# Altium PCB CMTestBoard.PcbDoc (part 1 of 2) (continued)
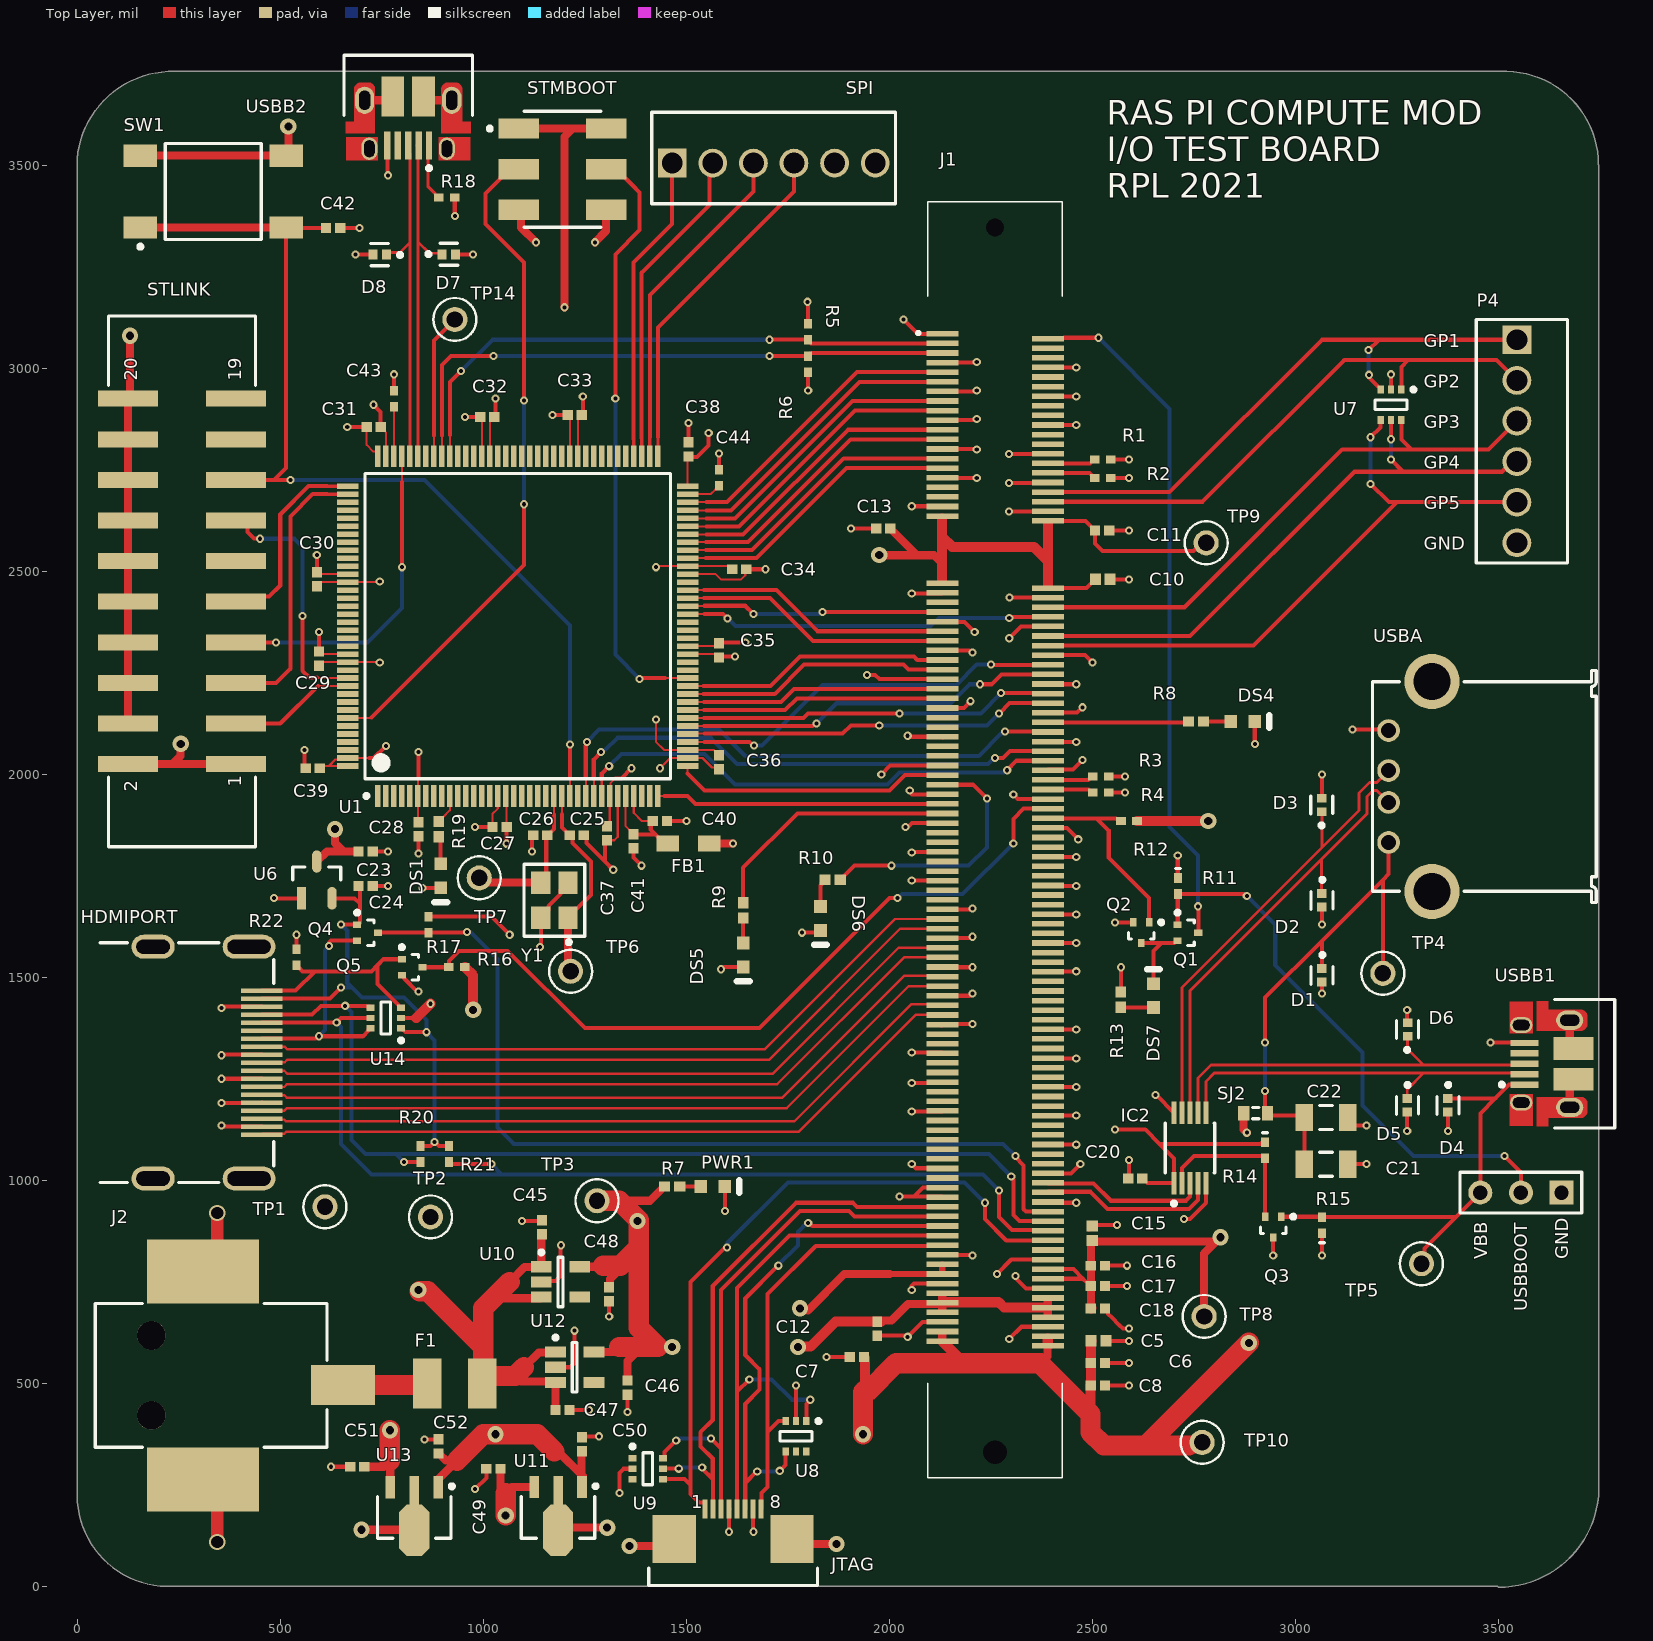
[diagram p0: Top Layer view]
## Components (designator, comment, footprint, x,y, rotation, side; value= is the part's Value field where it differs from the comment) (continued)
JTAG "68710814522" 68710814522 1615,90 r0 top
P4 "640456-6" TECO-640456-6_V 3545,3070 r270 top
PWR1 "LTST-S270KGKT" AVAG-HSMX-C190_V 1565,985 r0 top
Q1 "DMG1012T-7" DIOD-SOT523-3_V 2735,1610 r0 top
Q2 "DMG1012T-7" DIOD-SOT523-3_V 2620,1610 r270 top
Q3 "DMG1012T-7" DIOD-SOT523-3_V 2945,885 r270 top
Q4 "DMG1012T-7" DIOD-SOT523-3_V 715,1610 r0 top
Q5 "DMG1012T-7" DIOD-SOT523-3_V 825,1525 r0 top
R1 "0402WGF1003TCE" 0402 2525,2775 r0 top
R2 "0402WGF1003TCE" 0402 2525,2730 r0 top
R3 "0402WGF1003TCE" 0402 2520,1995 r0 top
R4 "0402WGF1003TCE" 0402 2520,1955 r0 top
R5 "0402WGF1801TCE" 0402 1800,3090 r270 top value=1.8K
R6 "0402WGF1801TCE" 0402 1800,3010 r90 top
R7 "0402WGF750JTCE" RESC1005X40X25ML05T10 1465,985 r0 top
R8 "0402WGF750JTCE" RESC1005X40X25ML05T10 2755,2130 r180 top
R9 "0402WGF750JTCE" RESC1005X40X25ML05T10 1640,1665 r90 top
R10 "0402WGF750JTCE" RESC1005X40X25ML05T10 1860,1740 r0 top
R11 "0402WGJ0473TCE" 0402-A 2710,1725 r270 top value=47K
R12 "0402WGF1003TCE" 0402 2590,1885 r0 top
R13 "0402WGF750JTCE" RESC1005X40X25ML05T10 2570,1445 r90 top
R14 "0402WGJ0473TCE" 0402-A 2924.4,1073.89 r270 top value=47k
R15 "0402WGJ0473TCE" 0402-A 3065,890 r90 top value=47k
R16 "0402WGF1001TCE" 0402 935,1525 r180 top
R17 "0402WGF1001TCE" 0402 865,1630 r90 top
R18 "0402WGF1003TCE" 0402 910,3420 r0 top
R19 "0402WGF750JTCE" RESC1005X40X25ML05T10 890,1865 r90 top
R20 "0402WGF1801TCE" 0402 845,1065 r90 top value=1.8K
R21 "0402WGF1801TCE" 0402 915,1065 r90 top value=1.8K
R22 "0402WGF1003TCE" 0402 540,1550 r90 top
SJ2 "0R" J1-0603 2901.81,1165.58 r180 top
SPI "640456-6" TECO-640456-6_V 1465,3505 r0 top
STLINK "61232020621" 61232020621 257.87,2475 r90 top
STMBOOT "95278-101A06LF" AMPM-95278-101A06LF_V 1195,3490 r270 top
SW1 "4-1437565-1" TECO-4-1437565-1_V 335,3435 r90 top
TP1 "5004" FP-5004-MFG 610,935 r0 top
TP2 "5004" FP-5004-MFG 870,910 r0 top
TP3 "5004" FP-5004-MFG 1280,950 r0 top
TP4 "5004" FP-5004-MFG 3215,1510 r0 top
TP5 "5004" FP-5004-MFG 3310,795 r0 top
TP6 "5004" FP-5004-MFG 1215,1515 r0 top
TP7 "5004" FP-5004-MFG 990,1745 r0 top
TP8 "5004" FP-5004-MFG 2775,665 r0 top
TP9 "5004" FP-5004-MFG 2780,2570 r0 top
TP10 "5004" FP-5004-MFG 2770,355 r90 top
TP14 "5004" FP-5004-MFG 930,3120 r90 top
U1 "STM32F427ZGT6" STM-LQFP144_V 1085,2365 r90 top
U6 "AP2331W-7" FP-SC59-IPC_B 590,1740 r90 top
U7 "SMF05CT1G" ONSC-SC70-6-419B-02_W_V 3235,2910 r270 top
U8 "SMF05CT1G" ONSC-SC70-6-419B-02_W_V 1770,370 r270 top
U9 "SMF05CT1G" ONSC-SC70-6-419B-02_W_V 1405,290 r0 top
U10 "XC6220B331MR-G" TORX-SOT-25-5_M 1190,750 r0 top
U11 "RT9166A-18GXL" SOT-89_N 1184.06,170.2 r270 top
U12 "XC6220B331MR-G" TORX-SOT-25-5_M 1225,540 r0 top
U13 "RT9166A-18GXL" SOT-89_N 830,170 r270 top
U14 "SMF05CT1G" ONSC-SC70-6-419B-02_W_V 760,1400 r180 top
USBA "61400416021" 61400416021 3465,1970 r90 top
USBB1 "10103594-0001LF" FCI-10103594-0001LF_V 3620.43,1287.11 r90 top
USBB2 "10103594-0001LF" FCI-10103594-0001LF_V 815,3605 r180 top
USBBOOT "Header 3" HDR1X3 3655,970 r180 top
Y1 "Q33310F70060700" FP-7M-MFG 1175,1690 r90 top

## Footprints (in the part's own frame and the unit in brackets; to place one, negate y for a bottom-side part, rotate by r counter-clockwise, add the part's x,y. Pads: shape width x height; smd on the part's side, far side on the other; paste and mask are expansions set on the pad)
0402 [mm] "Chip Capacitor, Body 1.0x0.5mm, IPC High Density"
  rect 0.6x0.5 smd: 1(-0.5,0) 2(0.5,0)
  body extent -0.55,-0.3 0.55,0.3, height 1.3
0402-A [mm] "Chip Inductor, Body 1.0x0.5mm, IPC High Density"
  rect 0.6x0.5 smd: 1(-0.5,0) 2(0.5,0)
  silkscreen extent -1.1,-0.15 -1.1,0.15, body extent -0.55,-0.3 0.55,0.3, height 0.55
20409101 [mm]
  rect 0.35x2 smd: 1(-31.65,-3.3) 2(-31.35,3.3) 3(-31.05,-3.3) 4(-30.75,3.3) 5(-30.45,-3.3) 6(-30.15,3.3) 7(-29.85,-3.3) 8(-29.55,3.3) 9(-29.25,-3.3) 10(-28.95,3.3) 11(-28.65,-3.3) 12(-28.35,3.3) 13(-28.05,-3.3) 14(-27.75,3.3) 15(-27.45,-3.3) 16(-27.15,3.3) 17(-26.85,-3.3) 18(-26.55,3.3) 19(-26.25,-3.3) 20(-25.95,3.3) 21(-25.65,-3.3) 22(-25.35,3.3) 23(-25.05,-3.3) 24(-24.75,3.3) 25(-24.45,-3.3) 26(-24.15,3.3) 27(-23.85,-3.3) 28(-23.55,3.3) 29(-23.25,-3.3) 30(-22.95,3.3) 31(-22.65,-3.3) 32(-22.35,3.3) 33(-22.05,-3.3) 34(-21.75,3.3) 35(-21.45,-3.3) 36(-21.15,3.3) 37(-20.85,-3.3) 38(-20.55,3.3) 39(-20.25,-3.3) 40(-19.95,3.3) 41(-16.05,-3.3) 42(-15.75,3.3) 43(-15.45,-3.3) 44(-15.15,3.3) 45(-14.85,-3.3) 46(-14.55,3.3) 47(-14.25,-3.3) 48(-13.95,3.3) 49(-13.65,-3.3) 50(-13.35,3.3) 51(-13.05,-3.3) 52(-12.75,3.3) 53(-12.45,-3.3) 54(-12.15,3.3) 55(-11.85,-3.3) 56(-11.55,3.3) 57(-11.25,-3.3) 58(-10.95,3.3) 59(-10.65,-3.3) 60(-10.35,3.3) 61(-10.05,-3.3) 62(-9.75,3.3) 63(-9.45,-3.3) 64(-9.15,3.3) 65(-8.85,-3.3) 66(-8.55,3.3) 67(-8.25,-3.3) 68(-7.95,3.3) 69(-7.65,-3.3) 70(-7.35,3.3) 71(-7.05,-3.3) 72(-6.75,3.3) 73(-6.45,-3.3) 74(-6.15,3.3) 75(-5.85,-3.3) 76(-5.55,3.3) 77(-5.25,-3.3) 78(-4.95,3.3) 79(-4.65,-3.3) 80(-4.35,3.3) 81(-4.05,-3.3) 82(-3.75,3.3) 83(-3.45,-3.3) 84(-3.15,3.3) 85(-2.85,-3.3) 86(-2.55,3.3) 87(-2.25,-3.3) 88(-1.95,3.3) 89(-1.65,-3.3) 90(-1.35,3.3) 91(-1.05,-3.3) 92(-0.75,3.3) 93(-0.45,-3.3) 94(-0.15,3.3) 95(0.15,-3.3) 96(0.45,3.3) 97(0.75,-3.3) 98(1.05,3.3) 99(1.35,-3.3) 100(1.65,3.3) 101(1.95,-3.3) 102(2.25,3.3) 103(2.55,-3.3) 104(2.85,3.3) 105(3.15,-3.3) 106(3.45,3.3) 107(3.75,-3.3) 108(4.05,3.3) 109(4.35,-3.3) 110(4.65,3.3) 111(4.95,-3.3) 112(5.25,3.3) 113(5.55,-3.3) 114(5.85,3.3) 115(6.15,-3.3) 116(6.45,3.3) 117(6.75,-3.3) 118(7.05,3.3) 119(7.35,-3.3) 120(7.65,3.3) 121(7.95,-3.3) 122(8.25,3.3) 123(8.55,-3.3) 124(8.85,3.3) 125(9.15,-3.3) 126(9.45,3.3) 127(9.75,-3.3) 128(10.05,3.3) 129(10.35,-3.3) 130(10.65,3.3) 131(10.95,-3.3) 132(11.25,3.3) 133(11.55,-3.3) 134(11.85,3.3) 135(12.15,-3.3) 136(12.45,3.3) 137(12.75,-3.3) 138(13.05,3.3) 139(13.35,-3.3) 140(13.65,3.3) 141(13.95,-3.3) 142(14.25,3.3) 143(14.55,-3.3) 144(14.85,3.3) 145(15.45,3.3) 146(15.15,-3.3) 147(16.05,3.3) 148(15.75,-3.3) 149(16.65,3.3) 150(16.35,-3.3) 151(17.25,3.3) 152(16.95,-3.3) 153(17.85,3.3) 154(17.55,-3.3) 155(18.45,3.3) 156(18.15,-3.3) 157(19.05,3.3) 158(18.75,-3.3) 159(19.65,3.3) 160(19.35,-3.3) 161(20.25,3.3) 162(19.95,-3.3) 163(20.85,3.3) 164(20.55,-3.3) 165(21.45,3.3) 166(21.15,-3.3) 167(22.05,3.3) 168(21.75,-3.3) 169(22.65,3.3) 170(22.35,-3.3) 171(23.25,3.3) 172(22.95,-3.3) 173(23.85,3.3) 174(23.55,-3.3) 175(24.45,3.3) 176(24.15,-3.3) 177(25.05,3.3) 178(24.75,-3.3) 179(25.65,3.3) 180(25.35,-3.3) 181(26.25,3.3) 182(25.95,-3.3) 183(26.85,3.3) 184(26.55,-3.3) 185(27.45,3.3) 186(27.15,-3.3) 187(28.05,3.3) 188(27.75,-3.3) 189(28.65,3.3) 190(28.35,-3.3) 191(29.25,3.3) 192(28.95,-3.3) 193(29.85,3.3) 194(29.55,-3.3) 195(30.45,3.3) 196(30.15,-3.3) 197(31.05,3.3) 198(30.75,-3.3) 199(31.65,3.3) 200(31.35,-3.3)
  round 0.55 hole 1.1 unplated: MH1(-38.3,0)
  round 0.75 hole 1.5 unplated: MH2(38.3,0)
  silkscreen extent -39.9,-4.9 39.9,4.2, body extent -39.9,-4.2 39.9,4.2, height 14.5
61232020621 [mm] "WR-BHD 2.54mm Male SMT Box Header (Reel), 20p"
  rect 1x3.75 smd: 1(-11.43,-3.375) 2(-11.43,3.375) 3(-8.89,-3.375) 4(-8.89,3.375) 5(-6.35,-3.375) 6(-6.35,3.375) 7(-3.81,-3.375) 8(-3.81,3.375) 9(-1.27,-3.375) 10(-1.27,3.375) 11(1.27,-3.375) 12(1.27,3.375) 13(3.81,-3.375) 14(3.81,3.375) 15(6.35,-3.375) 16(6.35,3.375) 17(8.89,-3.375) 18(8.89,3.375) 19(11.43,-3.375) 20(11.43,3.375)
  silkscreen extent -16.6,-4.6 16.6,4.6, body extent -16.51,-4.75 16.51,4.75, height 10.55
61400416021 [mm] "USB 2.0 Type A Horizontal"
  round 1.42 hole 0.92: 1(-3.5,5.99) 2(-1,5.99) 3(1,5.99) 4(3.5,5.99)
  round 3.45 hole 2.3: Shell(-6.57,3.28) Shell(6.57,3.28)
  silkscreen extent -7.25,-7 7.25,7, body extent -8,-7 8,7, height 7.63
68710814522 [mm] "ZIF Connectors, Horizontal, Bottom Contact, pitch 0.5mm, 8p"
  rect 0.3x1.2 smd: 1(-1.75,2.56) 2(-1.25,2.56) 3(-0.75,2.56) 4(-0.25,2.56) 5(0.25,2.56) 6(0.75,2.56) 7(1.25,2.56) 8(1.75,2.56)
  rect 2.7x3 smd: MP1(-3.68,0.7) MP2(3.68,0.7)
  silkscreen extent -5.27,-2.22 5.28,-1.12, body extent -5.2,-2.15 5.2,2.95, height 2.1
685119134923 [mm] "HDMI SMT Horizontal"
  rect 0.28x2.6 smd: 1(4.5,5.325) 2(4,5.325) 3(3.5,5.325) 4(3,5.325) 5(2.5,5.325) 6(2,5.325) 7(1.5,5.325) 8(1,5.325) 9(0.5,5.325) 10(0,5.325) 11(-0.5,5.325) 12(-1,5.325) 13(-1.5,5.325) 14(-2,5.325) 15(-2.5,5.325) 16(-3,5.325) 17(-3.5,5.325) 18(-4,5.325) 19(-4.5,5.325)
  oval 1.5x3.3 hole 0.9 slot 2.7 at 90 deg: Shell(-7.25,4.525) Shell(7.25,4.525)
  oval 1.5x2.7 hole 0.9 slot 2.1 at 90 deg: Shell(-7.25,-1.475) Shell(7.25,-1.475)
  silkscreen extent -7.5,-4.78 7.5,6.07, body extent -7.55,-6.07 7.45,6.08, height 6.17
694106105102 [mm] "DC Power Jack Right Angled SMT ?6.4 with pegs"
  rect 2.5x4 smd: 1(0.6,8.25)
  rect 4x7 smd: 2(-6.5,-0.5) 3(6.5,-0.5)
  round 1.8 hole 1.8 unplated: MH1(-2.5,-3.75) MH2(2.5,-3.75)
  silkscreen extent -4.5,-7.25 4.5,7.25, body extent -7.6,-7.25 7.6,9.75, height 11.05
AMPM-95278-101A06LF_V [mm] "SMD, 6-Leads, Body 7.26x4.83mm, Pitch 2.54mm"
  rect 1.27x2.54 smd: 1(-2.54,-2.73) 2(-2.54,2.73) 3(0,-2.73) 4(0,2.73) 5(2.54,-2.73) 6(2.54,2.73)
  silkscreen extent -3.63,-4.67 3.63,2.41, body extent -3.61,-3.64 3.61,3.64, height 9.71
AVAG-HSMX-C190_V [mm] "SMD, 2-Leads, Body 1.6x0.8mm, Height 0.9mm"
  rect 0.8x0.8 smd: 1(-0.75,0) 2(0.75,0)
  silkscreen extent 1.65,-0.4 1.65,0.4, body extent -0.8,-0.4 0.8,0.4, height 0.9
C1206 [mm] "Chip Capacitor, Body 3.2x1.6mm, IPC High Density"
  rect 1.1x1.7 smd: 1(-1.35,0) 2(1.35,0)
  silkscreen extent -0.4,-0.75 0.4,0.75, body extent -1.7,-0.9 1.7,0.9, height 1.3
CAPC1005X55N [mm]
  rect 0.65x0.62 smd: 1(-0.44,0) 2(0.44,0)
  body extent -0.5,-0.25 0.5,0.25, height 0.55
CAPC1005X90N [mm]
  rect 0.69x0.72 smd: 1(-0.46,0) 2(0.46,0)
  body extent -0.5,-0.25 0.5,0.25, height 0.9
DIOD-SOT523-3_V [mm] "SOT523, 3-Leads, Body 1.6x0.8mm, Pitch 0.50mm"
  rect 0.51x0.4 smd: 1(-0.65,0.5) 2(-0.65,-0.5) 3(0.65,0)
  silkscreen extent -0.77,-0.8 0.4,1.37, body extent -0.4,-0.8 0.4,0.8, height 0.86
FCI-10103594-0001LF_V [mm] "SMD, 5-Leads, Body 8.04x5.62mm, Pitch 0.65 mm"
  rect 0.4x1.75 smd: 1(-1.3,1.435) 2(-0.65,1.435) 3(0,1.435) 4(0.65,1.435) 5(1.3,1.435)
  oval 1x1.4 hole 0.65 slot 1.05 at 90 deg: 6(-2.425,1.64) 7(2.425,1.64)
  oval 1.2x1.7 hole 0.7 slot 1.2 at 90 deg: 8(2.725,-1.39) 9(-2.725,-1.39)
  rect 1.425x2.5 smd: 10(-0.962,-1.64) 11(0.962,-1.64)
  Top Layer region: 3.9,2.37 1.9,2.37 1.9,0.91 3.9,0.91
  Top Layer region: -3.9,0.91 -1.9,0.91 -1.9,2.37 -3.9,2.37
  Top Layer region: 3.375,-0.04 3.375,-2.09 3.373,-2.129 3.369,-2.167 3.365,-2.185 3.359,-2.203 3.348,-2.239 3.329,-2.277 3.308,-2.312 3.284,-2.344 3.258,-2.374 3.227,-2.401 3.194,-2.426 3.158,-2.446 3.121,-2.464 3.08,-2.477 3.049,-2.483 3.012,-2.488 2.975,-2.49 2.475,-2.49 2.432,-2.488 2.391,-2.481 2.351,-2.471 2.312,-2.456 2.28,-2.439 2.249,-2.421 2.217,-2.396 2.19,-2.37 2.164,-2.342 2.143,-2.312 2.121,-2.277 2.105,-2.241 2.093,-2.209 2.088,-2.192 2.084,-2.175 2.08,-2.155 2.076,-2.134 2.075,-2.112 2.075,-2.09 2.075,-0.04 2.075,0.66 3.9,0.66 3.9,-0.04
  Top Layer region: -3.375,-0.04 -3.375,-2.09 -3.373,-2.129 -3.369,-2.167 -3.365,-2.185 -3.359,-2.203 -3.348,-2.239 -3.329,-2.277 -3.308,-2.312 -3.284,-2.344 -3.258,-2.374 -3.227,-2.401 -3.194,-2.426 -3.158,-2.446 -3.121,-2.464 -3.08,-2.477 -3.049,-2.483 -3.012,-2.488 -2.975,-2.49 -2.475,-2.49 -2.432,-2.488 -2.391,-2.482 -2.351,-2.471 -2.312,-2.456 -2.28,-2.439 -2.249,-2.421 -2.217,-2.397 -2.19,-2.37 -2.164,-2.342 -2.143,-2.312 -2.121,-2.277 -2.105,-2.241 -2.093,-2.209 -2.088,-2.192 -2.084,-2.175 -2.08,-2.155 -2.076,-2.134 -2.075,-2.112 -2.075,-2.09 -2.075,-0.04 -2.075,0.66 -3.9,0.66 -3.9,-0.04
  silkscreen extent -4.02,-4.21 4.02,2.98, body extent -4.02,-4.15 4.02,1.88, height 2.9
FP-7M-MFG [mm]
  rect 1.4x1.2 smd paste+0 mask+0: 1(-1.1,-0.85) 2(1.1,-0.85) 3(1.1,0.85) 4(-1.1,0.85)
  silkscreen extent -2.75,-1.9 2.25,1.9, body extent -1.9,-1.55 1.9,1.55, height 0.25
FP-846AP-MFG [mm]
  rect 1.4x0.3 smd paste+0 mask+0: 1(-2.2,1) 2(-2.2,0.5) 3(-2.2,0) 4(-2.2,-0.5) 5(-2.2,-1) 6(2.2,-1) 7(2.2,-0.5) 8(2.2,0) 9(2.2,0.5) 10(2.2,1)
  silkscreen extent -3.6,-1.55 1.55,1.55, body extent -3,-1.65 3,1.65, height 0.25
FP-5004-MFG [mm]
  round 1.57 hole 1.02 paste-1000 mask+0: 1(0,0)
  silkscreen extent -1.35,-1.34 1.35,1.34, body extent -1.45,-1.45 1.45,1.45, height 0.25
FP-SC59-IPC_B [mm]
  rect 1.407x0.576 smd paste+0 mask+0: 1(-1.151,0.95)
  rrect100% 1.407x0.576 smd paste+0 mask+0: 2(-1.151,-0.95) 3(1.151,0)
  silkscreen extent 0,-1.5 0.8,1.5, body extent -2.1,-1.75 2.1,1.75, height 0.25
FP-SP3030-MFG [mm]
  rect 0.55x0.6 smd paste+0 mask+0: 1(-0.425,0) 2(0.425,0)
  silkscreen extent -1.4,-0.68 0.56,0.7, body extent -0.8,-0.45 0.8,0.45, height 0.25
HDR1X3 [mm] "Connector; Header; 3 Position"
  rect 1.5x1.5 hole 0.9: 1(0,0)
  round 1.5 hole 0.9: 2(2.54,0) 3(5.08,0)
  silkscreen extent -1.27,-1.27 6.35,1.27
J1-0603 [mm] "Chip Resistor, Body 1.6x0.8mm, IPC High Density"
  rect 0.7x0.9 smd: 1(-0.75,0) 2(0.75,0)
  silkscreen extent -0.2,-0.35 0.2,0.35, body extent -0.85,-0.48 0.85,0.48, height 0.9
LFUS-FUSE1812-71_V [mm] "Chip Fuse, Body 4.73x3.41mm, Height 0.71mm"
  rect 1.78x3.15 smd: 1(-1.725,0) 2(1.725,0)
  body extent -1.73,-1.57 1.73,1.57, height 0.71
MURA-BLM21-H1-CHIP-2_V [mm] "Chip Ferrite Bead, 2-Leads, Body 2x1.25mm, Height 1.05mm"
  rect 1.4x1 smd: 1(-1.3,0) 2(1.3,0)
  body extent -1,-0.63 1,0.63, height 1.05
ONSC-SC70-6-419B-02_W_V [mm] "SOT23, 6-Leads, Body 2x1.25mm, Pitch 0.65mm"
  rect 0.5x0.4 smd: 1(-0.95,0.65) 2(-0.95,0) 3(-0.95,-0.65) 4(0.95,-0.65) 5(0.95,0) 6(0.95,0.65)
  silkscreen extent -1.07,-1 0.3,1.53, body extent -0.63,-1 0.63,1, height 1.1
RESC1005X40X25ML05T10 [mm] "Chip Resistor, 2-Leads, Body 1.00x0.50mm, IPC Low Density"
  rect 0.7x0.65 smd: 1(-0.475,0) 2(0.475,0)
  body extent -0.53,-0.27 0.53,0.28, height 0.4
SOT-89_N [mm] "SOT89, 3-Leads, Body 4.5x2.4 mm, Pitch 1.5mm, Lead Span 4.1mm, IPC Medium Density"
  rect 1.4x0.6 smd: 1(-1.9,1.5) 3(-1.9,-1.5)
  rect 1.8x0.6 smd: 2(-1.7,0)
  oct 3.2x1.9 smd: 2(0.8,0)
  silkscreen extent -2.07,-2.3 1.3,2.48, body extent -1.3,-2.3 1.3,2.3, height 1.6
STM-LQFP144_V [mm] "Thin QFP, 144-Leads, Body 20x20mm, Pitch 0.5mm, ST Recommended"
  rect 1.35x0.35 smd: 1(-10.625,8.75) 2(-10.625,8.25) 3(-10.625,7.75) 4(-10.625,7.25) 5(-10.625,6.75) 6(-10.625,6.25) 7(-10.625,5.75) 8(-10.625,5.25) 9(-10.625,4.75) 10(-10.625,4.25) 11(-10.625,3.75) 12(-10.625,3.25) 13(-10.625,2.75) 14(-10.625,2.25) 15(-10.625,1.75) 16(-10.625,1.25) 17(-10.625,0.75) 18(-10.625,0.25) 19(-10.625,-0.25) 20(-10.625,-0.75) 21(-10.625,-1.25) 22(-10.625,-1.75) 23(-10.625,-2.25) 24(-10.625,-2.75) 25(-10.625,-3.25) 26(-10.625,-3.75) 27(-10.625,-4.25) 28(-10.625,-4.75) 29(-10.625,-5.25) 30(-10.625,-5.75) 31(-10.625,-6.25) 32(-10.625,-6.75) 33(-10.625,-7.25) 34(-10.625,-7.75) 35(-10.625,-8.25) 36(-10.625,-8.75) 73(10.625,-8.75) 74(10.625,-8.25) 75(10.625,-7.75) 76(10.625,-7.25) 77(10.625,-6.75) 78(10.625,-6.25) 79(10.625,-5.75) 80(10.625,-5.25) 81(10.625,-4.75) 82(10.625,-4.25) 83(10.625,-3.75) 84(10.625,-3.25) 85(10.625,-2.75) 86(10.625,-2.25) 87(10.625,-1.75) 88(10.625,-1.25) 89(10.625,-0.75) 90(10.625,-0.25) 91(10.625,0.25) 92(10.625,0.75) 93(10.625,1.25) 94(10.625,1.75) 95(10.625,2.25) 96(10.625,2.75) 97(10.625,3.25) 98(10.625,3.75) 99(10.625,4.25) 100(10.625,4.75) 101(10.625,5.25) 102(10.625,5.75) 103(10.625,6.25) 104(10.625,6.75) 105(10.625,7.25) 106(10.625,7.75) 107(10.625,8.25) 108(10.625,8.75)
  rect 0.35x1.35 smd: 37(-8.75,-10.625) 38(-8.25,-10.625) 39(-7.75,-10.625) 40(-7.25,-10.625) 41(-6.75,-10.625) 42(-6.25,-10.625) 43(-5.75,-10.625) 44(-5.25,-10.625) 45(-4.75,-10.625) 46(-4.25,-10.625) 47(-3.75,-10.625) 48(-3.25,-10.625) 49(-2.75,-10.625) 50(-2.25,-10.625) 51(-1.75,-10.625) 52(-1.25,-10.625) 53(-0.75,-10.625) 54(-0.25,-10.625) 55(0.25,-10.625) 56(0.75,-10.625) 57(1.25,-10.625) 58(1.75,-10.625) 59(2.25,-10.625) 60(2.75,-10.625) 61(3.25,-10.625) 62(3.75,-10.625) 63(4.25,-10.625) 64(4.75,-10.625) 65(5.25,-10.625) 66(5.75,-10.625) 67(6.25,-10.625) 68(6.75,-10.625) 69(7.25,-10.625) 70(7.75,-10.625) 71(8.25,-10.625) 72(8.75,-10.625) 109(8.75,10.625) 110(8.25,10.625) 111(7.75,10.625) 112(7.25,10.625) 113(6.75,10.625) 114(6.25,10.625) 115(5.75,10.625) 116(5.25,10.625) 117(4.75,10.625) 118(4.25,10.625) 119(3.75,10.625) 120(3.25,10.625) 121(2.75,10.625) 122(2.25,10.625) 123(1.75,10.625) 124(1.25,10.625) 125(0.75,10.625) 126(0.25,10.625) 127(-0.25,10.625) 128(-0.75,10.625) 129(-1.25,10.625) 130(-1.75,10.625) 131(-2.25,10.625) 132(-2.75,10.625) 133(-3.25,10.625) 134(-3.75,10.625) 135(-4.25,10.625) 136(-4.75,10.625) 137(-5.25,10.625) 138(-5.75,10.625) 139(-6.25,10.625) 140(-6.75,10.625) 141(-7.25,10.625) 142(-7.75,10.625) 143(-8.25,10.625) 144(-8.75,10.625)
  silkscreen extent -10.75,-9.55 9.55,9.6, body extent -10,-10 10,10, height 1.6
TECO-4-1437565-1_V [mil] "SMD, 4-Leads, Body 6x6mm, Pitch 9.1mm"
  rect 55x83 smd: 1(-88.5,179.5) 2(-88.5,-179.5) 3(88.5,179.5) 4(88.5,-179.5)
  silkscreen extent -141,-118 118,184, body extent -118,-197 118,197, height 200
TECO-640456-6_V [mm] "THD, 6-Leads, Body 15.24x5.72mm, Pitch 2.54mm"
  rect 1.8x1.8 hole 1.3: 1(0,0)
  round 1.8 hole 1.3: 2(2.54,0) 3(5.08,0) 4(7.62,0) 5(10.16,0) 6(12.7,0)
  silkscreen extent -1.27,-2.54 13.97,3.18, body extent -1.27,-2.54 13.97,3.18, height 10.03
TORX-SOT-25-5_M [mm] "SOT23, 5-Leads, Body 3.1x1.8mm, Pitch 0.95mm, IPC Low Density"
  rect 1.3x0.7 smd: 1(-1.2,0.95) 2(-1.2,0) 3(-1.2,-0.95) 4(1.2,-0.95) 5(1.2,0.95)
  silkscreen extent -1.32,-1.55 0.15,1.97, body extent -0.9,-1.55 0.9,1.55, height 1.3

## Part data
C5 C10 C15: library part C0402C150J4GACTU, "15pF 0402", Manufacturer_Name=Kemet, Mouser Part Number=80-C0402C150J4G, Arrow Part Number=C0402C150J4GACTU, Arrow Price/Stock=https://www.arrow.com/en/products/c0402c150j4gactu/kemet-corporation, Datasheet Link=https://content.kemet.com/datasheets/KEM_C1002_X7R_SMD.pdf, Height=0.55mm, Manufacturer_Part_Number=C0402C150J4GACTU, Mouser Price/Stock=https://www.mouser.com/Search/Refine.aspx?Keyword=80-C0402C150J4G
C6 C11 C16: library part C0402C560K5RACTU, "56pF 0402", Manufacturer_Name=Kemet, Mouser Part Number=80-C0402C560K5RACTU, Arrow Part Number=C0402C560K5RACTU, Datasheet Link=https://content.kemet.com/datasheets/KEM_C1002_X7R_SMD.pdf, Height=0.55mm, Manufacturer_Part_Number=C0402C560K5RACTU, Mouser Price/Stock=https://www.mouser.co.uk/ProductDetail/KEMET/C0402C560K5RACTU?qs=gt1LBUVyoHmQZW5v3ySgNQ%3D%3D
C7 C12 C17: library part C0402C103K8RACTU, "10nF 0402", Manufacturer_Name=Kemet, Mouser Part Number=80-C0402C103K8R, Arrow Part Number=C0402C103K8RACTU, Arrow Price/Stock=https://www.arrow.com/en/products/c0402c103k8ractu/kemet-corporation, Datasheet Link=https://content.kemet.com/datasheets/KEM_C1002_X7R_SMD.pdf, Height=0.55mm, Manufacturer_Part_Number=C0402C103K8RACTU, Mouser Price/Stock=https://www.mouser.co.uk/ProductDetail/KEMET/C0402C103K8RACTU?qs=JAINH4q0Y0HkMNTUebnT7w%3D%3D
C8 C13 C18 C20 C23 C24 C25 C26 C27 C28 C29 C30 C31 C32 C33 C34 C35 C36 C37 C38 C39 C40 C41 C42: library part C0402C560K5RACTU, "100nF 0402", Manufacturer_Name=Kemet, Mouser Part Number=80-C0402C560K5RACTU, Arrow Part Number=C0402C560K5RACTU, Datasheet Link=https://content.kemet.com/datasheets/KEM_C1002_X7R_SMD.pdf, Height=0.55mm, Manufacturer_Part_Number=C0402C560K5RACTU, Mouser Price/Stock=https://www.mouser.co.uk/ProductDetail/KEMET/C0402C560K5RACTU?qs=gt1LBUVyoHmQZW5v3ySgNQ%3D%3D
C21 C22: library part Cap, "47uF 1206", LCSC Part #=C96123, LatestRevisionDate=17-Jul-2002, LatestRevisionNote="Re-released for DXP Platform.", PackageDescription="Radial Cap, Thru-Hole; 2 Leads; 0.3 in Pin Spacing", PackageReference=RAD-0.3, Published=8-Jun-2000, Publisher="Altium Limited"
C43 C44: library part Cap, "2.2uF 0402", LatestRevisionDate=17-Jul-2002, LatestRevisionNote="Re-released for DXP Platform.", PackageDescription="Radial Cap, Thru-Hole; 2 Leads; 0.3 in Pin Spacing", PackageReference=RAD-0.3, Published=8-Jun-2000, Publisher="Altium Limited"
C45 C46 C47 C48: library part C0402C560K5RACTU, "10uF 0402", Manufacturer_Name=Kemet, Mouser Part Number=80-C0402C560K5RACTU, Arrow Part Number=C0402C560K5RACTU, Datasheet Link=https://content.kemet.com/datasheets/KEM_C1002_X7R_SMD.pdf, Height=0.55mm, Manufacturer_Part_Number=C0402C560K5RACTU, Mouser Price/Stock=https://www.mouser.co.uk/ProductDetail/KEMET/C0402C560K5RACTU?qs=gt1LBUVyoHmQZW5v3ySgNQ%3D%3D
C49 C50 C51 C52: library part C0402C560K5RACTU, "1uF 0402", Manufacturer_Name=Kemet, Mouser Part Number=80-C0402C560K5RACTU, Arrow Part Number=C0402C560K5RACTU, Datasheet Link=https://content.kemet.com/datasheets/KEM_C1002_X7R_SMD.pdf, Height=0.55mm, Manufacturer_Part_Number=C0402C560K5RACTU, Mouser Price/Stock=https://www.mouser.co.uk/ProductDetail/KEMET/C0402C560K5RACTU?qs=gt1LBUVyoHmQZW5v3ySgNQ%3D%3D
D1 D2 D3 D4 D5 D6 D7 D8: library part CMP-08607-000070-1, "TVS DIODE 5V 10V SOD882", Capacitance=0.5pF, Clamping Voltage=10V, Manufacturer=Littelfuse, Max Junction Temp=+150°C, Package=SP3030, Peak Pulse Current=3A, Reverse Standoff Voltage=5V, Temperature="-40°C to +125°C", Temperature Range High=+125°C, Temperature Range Low=-40°C, Automotive=Yes, Automotive Grade="Grade 1", Category=Diode, ComponentLink2Description=Datasheet, ComponentLink2URL=https://www.littelfuse.com/~/media/electronics/datasheets/tvs_diode_arrays/littelfuse_tvs_diode_array_sp3030_datasheet.pdf.pdf, Device Class L1="Circuit Protection", Device Class L2="TVS Diodes", Device Class L3=unset, Digikey Description="TVS DIODE 5V 10V SOD882", Direction=Unidirectional, Height=0.6mm, Lead Free=Yes, Manufacturer Part Number=SP3030-01ETG, Mouser Description="TVS Diodes / ESD Suppressors 5V 1uA 22kV UNIDIRECTIONAL", Number of Channels=1, Octopart=https://octopart.com/sp3030-01etg-littelfuse-29687287, RoHS=TRUE
DS1 DS4 DS5 DS6 PWR1: library part CMP-1744-00003-1, "LED Uni-Color Yellow, 65 mW, 20 mA, -40 to 85 degC, 2-Pin SMD, RoHS, Tape and Reel", Case Code (Imperial)=0603, Case Code (Metric)=1608, Max Operating Temperature="155 degC", Min Operating Temperature="-55 degC", Package Quantity=5000, Power Rating="100 mW", Resistance="390 Ohm", Tolerance=1%, Voltage Rating="50 V", Case\Package=0603, ComponentLink1Description="Manufacturer URL", ComponentLink1URL=http://www.avagotech.com/, ComponentLink2Description=Datasheet, ComponentLink2URL=http://docs.avagotech.com/docs/AV02-0551EN, ComponentLink3Description="Package Specification", ComponentLink3URL=http://www.fairchildsemi.com/dwg/MA/MA03D.pdf, DatasheetVersion=Mar-12, Height="0.45 mm", Length="1.6 mm", Mount="Surface Mount", PackageDescription="2-Pin Surface Mount Device, Body 1.6 x 0.8 mm, Height 0.9 mm", PackageReference=HSMX-C190, Packaging="Tape and Reel", Pins=2, REACH SVHC="No SVHC", RoHSCompliant=true, Voltage Rating (DC)="50 V", Width="0.8 mm"